# Altium PCB ZJUDancer_Circuit_V3.6.3_MKVer.PcbDoc (part 2 of 3)
Units mil, origin at the board's own origin, x right, y up, seen from the top; angles counter-clockwise.
Board outline 4098.46 x 3783.97 mil, 2 copper layers (Top Layer, Bottom Layer); 148 components, 204 nets, 618 pads, 460 vias.
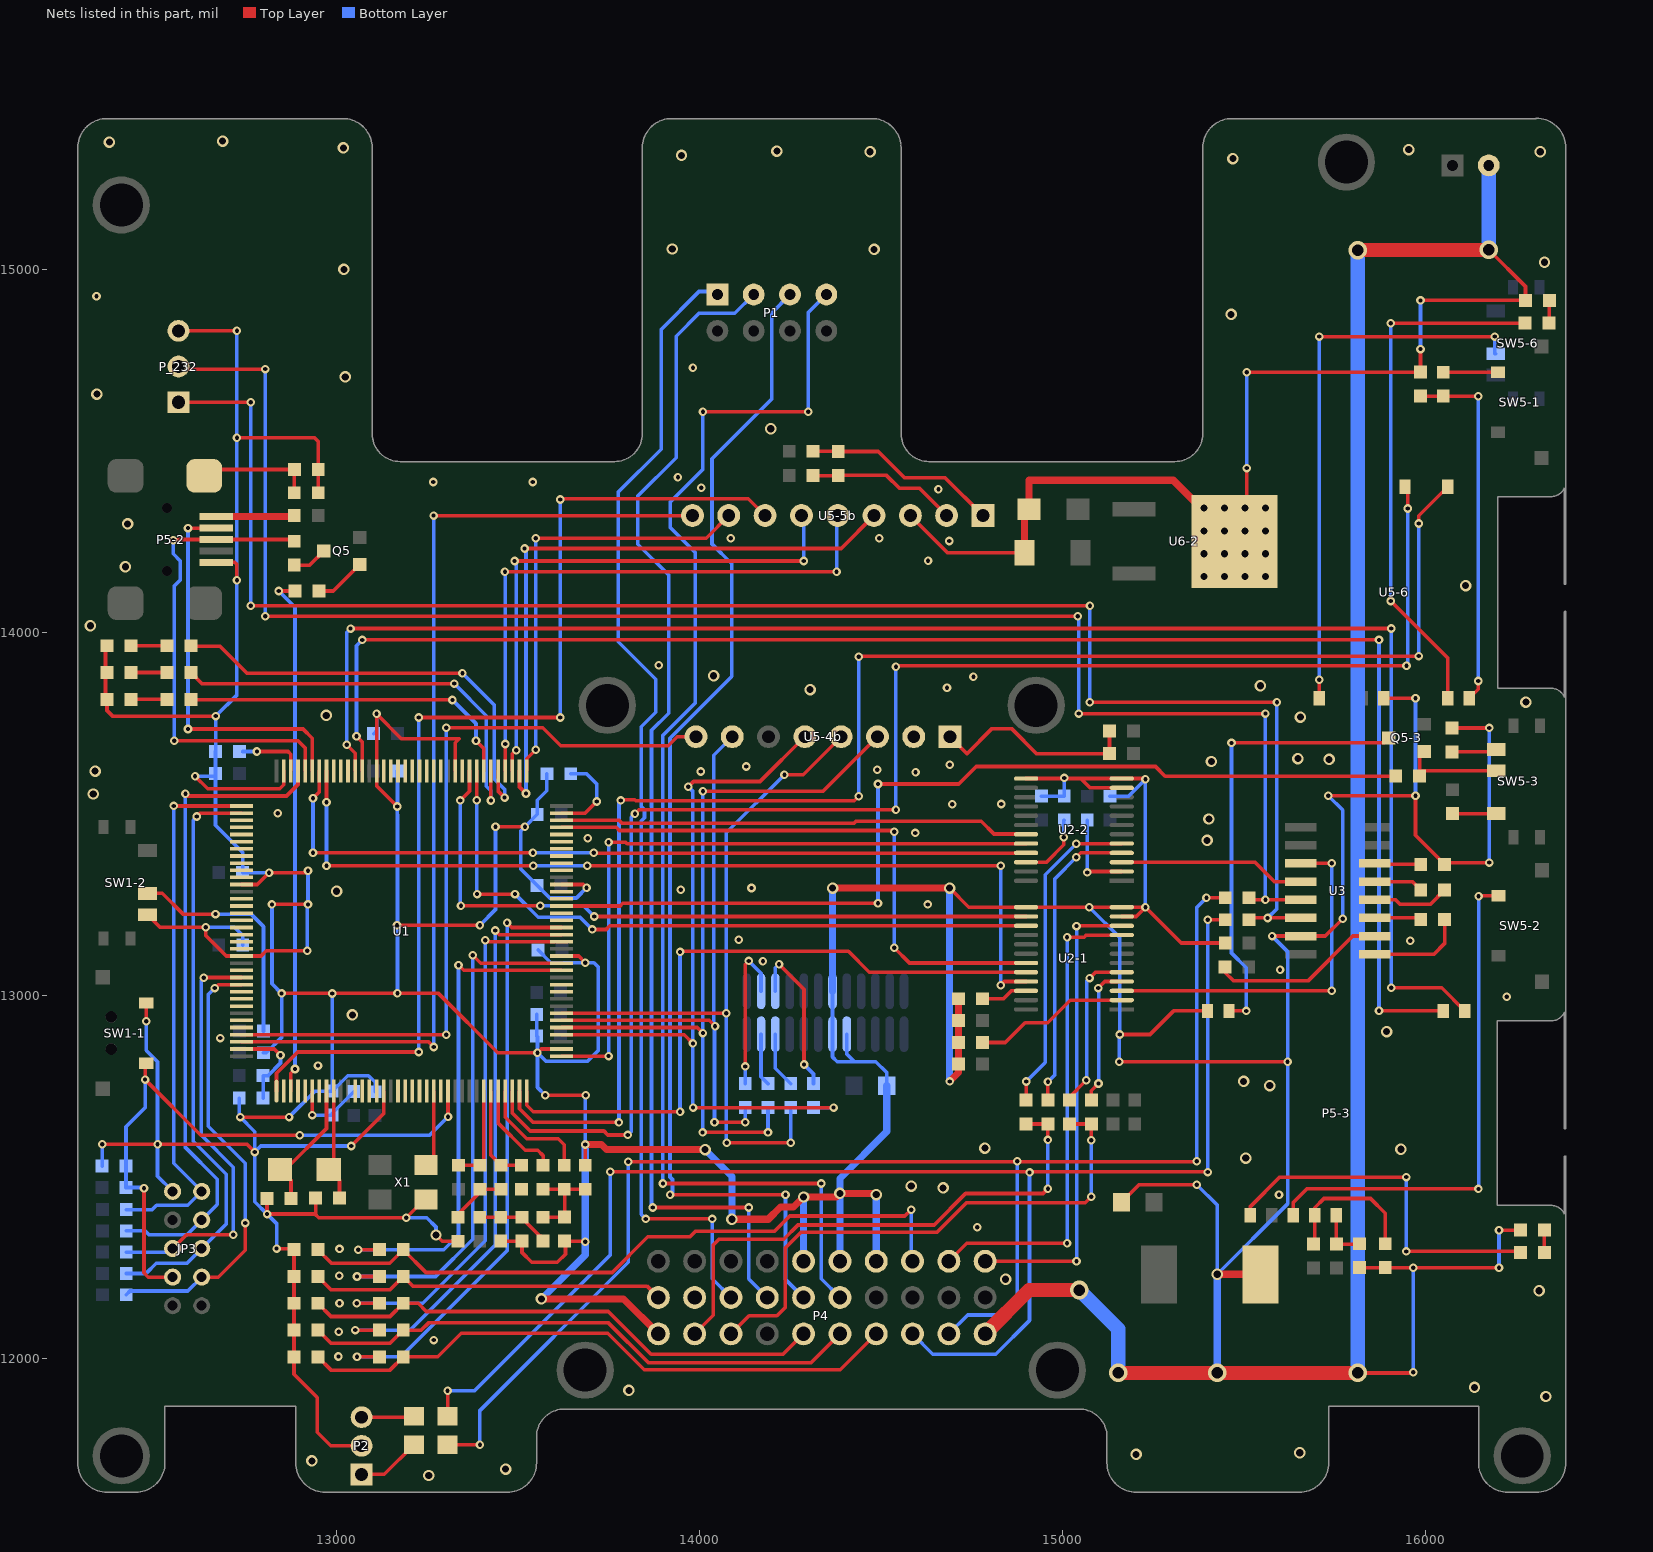
[diagram p2: the nets of this part, all layers, seen from the top]

## Via types
v1: diameter 23.62, hole 11.81, Top Layer to Bottom Layer, 354 vias
v2: diameter 31.5, hole 19.68, Top Layer to Bottom Layer, 82 vias
v3: diameter 39.37, hole 19.68, Top Layer to Bottom Layer, 16 vias
v4: diameter 51.18, hole 31.5, Top Layer to Bottom Layer, 6 vias
v5: diameter 59.06, hole 39.37, Top Layer to Bottom Layer, 2 vias

## Nets (pads, with @x,y where several pads share a name; then routed paths per layer and width w, separated by ;. In a path a pad name is that pad's centre, name@x,y a point inside that pad or via, vN(x,y) a via of type N, cw(c..) or ccw(c..) an arc to the next point about the centre after c; other vN are vias at no path point) (continued)
GND: ?.13 ?.14 ?.15 C1-1.1 C1-2.1 C1-3.1 C1-6.2 C1-7.2 C1-8.2 C1-9.2 C1-10.1 C1-11.1 C1-12.1 C1-13.1 C1-14.1 C1-15.1 C1-16.1 C1-17.1 C1-18.1 C1-19.1 C1-20.1 C1-21.2 C1-22.2 C1-23.1 C2-1.1 C2-2.2 C2-3.1 C2-4.2 C3-4.2 C3-5.2 C5-1.2 C5-2.2 C6-1.2 C6-2.2 C10.1 C12.2 C13.1 D1-1.2 D1-2.2 D1-3.2 D5-3.2 D5-4.2 JP3.10 L2.1 P2.2 P3.2 P4.5 P4.6 P4.7 P4.21 P4.30 P5-2.5 P5-3.13 P_232.3 R1-2.1 R1-19.2 R2-1.2 R2-2.1 R2-4.1 R5-9.2 R5-11.2 R5-12.2 R5-28.2 R112.1 R114.1 R116.1 R118.1 R120.1 SW1-1.2 SW1-2.3 U1.16 U1.38 U1.51 U1.61 U1.83 U1.94 U1.107 U1.120 U1.130 U2-1.11 U2-1.12 U2-1.13 U2-2.11 U2-2.12 U2-2.13 U3.15 U5-4b.2 U5-5b.3 U5-6.12 U6-2.2 X1.2 | length 34059.7
  Top Layer w10: v1(12354.27,12589.51) v1(12506.83,12589.51) 12753.01,12589.51 v1(12774.61,12567.91) ; D1-3.2@12363.59,13814.77 D1-1.2@12363.59,13962.42 ; D1-3.2@12367.53,13814.77 12367.53,13783.87 12382.7,13768.7 v1(12667.32,13768.7) ; v1(12475.9,12928.62) SW1-1.2@12475.9,12978.46 ; SW1-2.3@12479.11,13221.41 12513.51,13187.01 v1(12639.76,13187.01) 12639.76,13164.37 12696.26,13107.87 U1.130@12737.98,13107.87 12791.93,13107.87 12806.1,13122.05 v1(12919.29,13122.05) ; P_232.3@12564.49,14829.84 v1(12725.39,14829.84) ; v1(12610.24,13603.35) 12645.16,13568.42 12843.03,13568.42 12854.12,13579.51 U1.107@12854.12,13617.71 ; P5-2.5@12668.23,14192.05 12719.37,14192.05 12725.39,14186.02 v1(12725.39,14142.72) ; v1(12725.39,14535.43) 12938.98,14535.43 12949.43,14524.98 C5-1.2@12949.43,14447.72 12949.43,14384.04 R5-9.2@12949.24,14383.86 ; v1(12734.25,12664.37) v1(12869.09,12664.37) ; U1.120@12737.98,13304.72 12781.1,13304.72 v1(12813.98,13337.6) 12916.34,13337.6 v1(12921.26,13342.52) ; C1-1.1@12808.42,12440.55 v1(12808.42,12397.28) 12940.59,12397.28 ; v1(12821.85,13250) v1(12921.26,13250) ; v1(12834.65,12302.17) 12879.5,12302.17 R112.1@12882.45,12299.22 R114.1@12882.45,12225.4 R116.1@12882.45,12151.58 R118.1@12882.45,12077.76 R120.1@12882.45,12003.94 12882.45,11956.13 12946.85,11891.73 12946.85,11796.26 12984.13,11758.98 P2.2@13068.82,11758.98 ; v1(12848.43,13004.92) v1@12988.19,13004.92 ; C1-2.1@12942.28,12441.54 12942.28,12398.97 12940.59,12397.28 ; v1(12987.98,13004.71) v1@12988.19,13004.92 ; v1(13040.35,12584.65) 13129.71,12674 U1.16@13129.71,12735.83 ; v1(13166.34,13192.91) v1(13394.68,13192.91) ; v1(13167.32,13519.69) 13110.03,13576.98 U1.94@13110.03,13617.71 v1(13110.03,13774.82) 13178.15,13706.69 13337.6,13706.69 13326.56,13695.65 U1.83@13326.56,13617.71 ; X1.2@13245.85,12437.6 13242.71,12437.6 v1(13191.93,12386.81) 12951.07,12386.81 12940.59,12397.28 ; v2(13273.62,12339.57) 13290.68,12322.51 L2.1@13333.98,12322.51 ; v1(13437.58,13464) v1(13518.7,13464) ; C1-6.2@13452.2,12322.56 C1-7.2@13510.45,12322.56 13510.45,12291.11 13537.4,12264.16 13608.04,12264.16 13630.3,12286.42 13630.3,12320.49 C1-8.2@13627.95,12322.83 13683.07,12322.83 v1(13684.82,12321.08) ; v1(13574.8,12724.41) v1(13686.02,12724.41) ; U1.38@13619.87,12851.97 13563.58,12851.97 v1(13553.15,12841.54) 13443.9,12841.54 13280.51,13004.92 v1@12988.19,13004.92 ; U1.51@13619.87,13107.87 13666.73,13107.87 v1(13685.04,13089.57) ; U1.61@13619.87,13304.72 13679.53,13304.72 v1(13688.48,13295.77) ; C1-9.2@13684.82,12531.53 v1(13684.82,12588.8) ; U5-5b.3@14580.13,14320.99 14682.62,14218.5 C6-2.2@14894.68,14218.5 ; v2(14688.31,13294.96) 14740.91,13242.36 U2-1.13@14898.8,13242.36 v1(15072.83,13242.36) U2-1.12@15162.58,13242.36 v1(15227.6,13242.36) ; U2-2.13@14898.8,13596.69 15002.2,13596.69 v1(15003.92,13598.41) ; v1@15005.91,13596.69 15049.21,13596.69 ; v1(15155.51,12816.93) v1(15619.09,12816.93) ; v1(15156.5,12891.73) 15240.16,12891.73 15305.12,12956.69 P5-3.13@15398.62,12956.69 ; C13.1@15161.42,12430.12 15209.65,12478.35 v1(15369.09,12478.35) ; U2-1.11@15162.58,13216.77 15202.01,13216.77 v1(15227.6,13242.36) ; U2-2.11@15162.58,13571.1 15074.8,13571.1 15049.21,13596.69 ; v1(15227.6,13594.72) 15225.63,13596.69 U2-2.12@15162.58,13596.69 15049.21,13596.69 ; C3-4.2@15447.4,13143.69 15326.26,13143.69 v1(15227.6,13242.36) ; U6-2.2@15472.76,14250 15506.89,14250 v1(15506.89,14451.77) ; v1(15506.89,14715.98) C5-2.2@15985.23,14715.98 v1(15985.24,14779.53) ; v1(15576.3,13162.91) U3.15@15655.04,13162.91 15722.95,13162.91 v1(15770.67,13210.63) ; v1(15731.3,13549.21) v1(15971.46,13549.21) 15971.46,13440.46 C3-5.2@16051.56,13360.35 16056.5,13365.29 v1(16174.35,13365.29) ; v4(15812.01,11959.65) 15963.58,11959.65 v1(15965.55,11961.61) ; R5-12.2@15817.61,12249.57 R5-11.2@15888.09,12249.57 v1(15965.55,12249.57) v1(16201.35,12249.57) ; U5-6.12@15883.39,13818.03 v1(15971.46,13818.03) ; v1(15985.24,14913.54) D5-4.2@16274.22,14913.54 16274.22,14952.08 v4(16173.15,15053.15) ; R5-28.2@16071.85,13736.09 v1(16174.35,13736.09) ; v1(16201.35,12352.79) 16259.84,12352.79 D5-3.2@16260.4,12353.35
  Top Layer w19.68: v2(13563.98,12163.39) 13790.07,12163.39 P4.21@13886.14,12067.31 ; v1(13684.82,12588.8) 13729.11,12588.8 13743.11,12574.8 v2(14014.76,12574.8) ; v2(14088.58,12382.87) 14188.82,12382.87 14222.28,12416.34 14258.31,12416.34 v2(14286.14,12444.17) 14376.26,12444.17 v2(14386.14,12454.06) 14482.8,12454.06 v2(14486.14,12450.71) ; v2@14374.02,13294.96 v2(14688.31,13294.96) ; v1(14688.31,12762.48) 14713.16,12787.34 C2-1.1@14713.16,12810.05 R2-2.1@14713.16,12990.16 ; C6-1.2@14892.72,14338.58 C6-1.2@14906.5,14338.58 ; C6-2.2@14894.68,14218.5 14894.68,14326.77 C6-1.2@14906.5,14338.58 ; v4@15424.21,11959.65 v4(15425.2,11960.63) ; v2(15425.2,12231.3) C12.2@15544.76,12231.3 ; U6-2.2@15472.76,14250 15304.45,14418.31 14906.5,14418.31 C6-1.2@14906.5,14338.58
  Top Layer w39.37: P4.30@14786.14,12067.31 14906.82,12187.99 v4(15045.28,12187.99) ; v4(15152.56,11959.65) 15424.21,11959.65 v4(15812.01,11959.65) ; v4(15812.01,15052.17) 16172.17,15052.17 v4(16173.15,15053.15)
  Bottom Layer w10: C1-3.1@12354.27,12529.59 v1(12354.27,12589.51) ; v1(12475.9,12928.62) 12475.9,12847.91 12506.83,12816.98 v1(12506.83,12589.51) 12506.83,12501.39 JP3.10@12548.46,12459.76 ; v1(12610.24,13603.35) C1-10.1@12666.4,13603.35 ; v1(12639.76,13187.01) 12718.5,13187.01 12741.35,13164.16 C1-19.1@12741.35,13138.39 ; C1-21.2@12666.4,13671.27 C1-10.1@12666.4,13610.24 C1-10.1@12666.4,13603.35 ; C1-21.2@12667.32,13672.25 v1(12667.32,13768.7) 12725.39,13826.77 v1(12725.39,14142.72) v1(12725.39,14535.43) v1(12725.39,14829.84) ; R1-19.2@12731.86,12716.54 12731.86,12666.76 v1(12734.25,12664.37) 12774.61,12624.02 v1(12774.61,12567.91) ; C1-18.1@12798.22,12841.54 12806.5,12841.54 12848.43,12883.46 v1(12848.43,13004.92) 12821.85,13031.5 v1(12821.85,13250) ; v1(12813.98,13337.6) C1-20.1@12741.01,13337.6 12741.01,13393.83 12666.4,13468.44 C1-10.1@12666.4,13603.35 ; v1(12834.65,12302.17) 12834.65,12371.06 v1(12808.42,12397.28) 12774.61,12431.1 v1(12774.61,12567.91) ; v1(12869.09,12664.37) 12940.42,12735.69 C1-23.1@12987.98,12735.69 ; v1(12919.29,13122.05) 12919.29,13248.03 v1(12921.26,13250) v1(12921.26,13342.52) ; v1(12987.98,13004.71) C1-23.1@12987.98,12735.69 ; v1(13040.35,12584.65) 12791.34,12584.65 v1(12774.61,12567.91) ; C1-12.1@13101.94,13720.47 13110.03,13728.55 v1(13110.03,13774.82) ; C1-17.1@13106.08,12734.27 13106.08,12760.06 13087.6,12778.54 13030.83,12778.54 C1-23.1@12987.98,12735.69 ; 13167.32,13497.05 v1(13167.32,13519.69) ; v1(13167.53,13005.13) v1@13167.53,13192.91 ; v1@13167.53,13195.87 13167.53,13497.05 ; v1@13167.53,13519.69 C1-11.1@13167.53,13617.72 ; v1(13191.93,12386.81) 13248.33,12386.81 13273.62,12361.52 v2(13273.62,12339.57) ; v1(13394.68,13192.91) 13437.58,13235.81 v1(13437.58,13464) ; R1-2.1@13551.17,12947.16 13551.17,12887.58 C1-16.1@13550.98,12887.39 13553.15,12885.22 v1(13553.15,12841.54) ; C1-15.1@13555.11,13124.6 13590.14,13089.57 v1(13685.04,13089.57) 13708.66,13089.57 13720.47,13077.76 13720.47,12847.44 13690.94,12817.91 13576.77,12817.91 v1(13553.15,12841.54) ; v1(13574.8,12724.41) 13553.15,12746.06 v1(13553.15,12841.54) ; C1-22.2@13579.08,13609.85 13579.08,13563.33 13552.73,13536.98 C1-13.1@13552.73,13498.03 v1(13518.7,13464) 13506.89,13452.18 13506.89,13347.57 C1-14.1@13552.3,13302.17 13586.75,13267.72 13660.43,13267.72 v1(13688.48,13295.77) ; v1(13684.82,12588.8) 13684.82,12723.21 v1(13686.02,12724.41) ; ?.14@14365.83,13010.94 ?.13@14365.83,12892.83 14365.83,12830.04 14378.94,12816.93 14426.18,12816.93 ; ?.15@14405.2,12892.83 14405.2,12837.91 14426.18,12816.93 ; C10.1@14515.2,12750.98 14515.2,12786.97 14485.24,12816.93 14426.18,12816.93 ; C2-4.2@14941.3,13548.23 R2-4.1@15003.92,13548.16 ; R2-4.1@15003.92,13548.16 v1(15003.92,13598.41) ; v1(15072.83,13242.36) 15156.5,13158.7 v1(15156.5,12891.73) 15155.51,12890.75 v1(15155.51,12816.93) ; C2-3.1@15129.92,13548.1 15180.97,13548.1 v1(15227.6,13594.72) v1(15227.6,13242.36) ; v1(15369.09,12478.35) 15425.2,12422.24 v2(15425.2,12231.3) ; v2@15425.2,12219.49 v2(15425.2,12231.3) ; v1(15506.89,14451.77) v1(15506.89,14715.98) ; v1(15576.3,13162.91) 15619.09,13120.12 v1(15619.09,12816.93) 15619.09,12425.2 v2(15425.2,12231.3) ; v1(15731.3,13549.21) 15770.67,13509.84 v1(15770.67,13210.63) ; v1(15965.55,11961.61) v1(15965.55,12249.57) ; v1(15971.46,13549.21) v1(15971.46,13818.03) ; v1(15985.24,14779.53) v1(15985.24,14913.54) ; v1(16174.35,13365.29) v1(16174.35,13736.09) ; v1(16201.35,12249.57) v1(16201.35,12352.79)
  Bottom Layer w19.68: v2(13563.98,12163.39) 13684.82,12284.23 v1(13684.82,12321.08) v1(13684.82,12588.8) ; v2(14014.76,12574.8) 14088.58,12500.98 v2(14088.58,12382.87) ; P4.5@14286.14,12267.31 v2(14286.14,12444.17) ; ?.14@14365.83,13010.94 v2(14365.83,13294.96) ; P4.6@14386.14,12267.31 v2(14386.14,12454.06) 14386.14,12495.39 14515.2,12624.45 C10.1@14515.2,12750.98 ; P4.7@14486.14,12267.31 v2(14486.14,12450.71) ; v1(14688.31,12762.48) v2(14688.31,13294.96) ; v4(15425.2,11960.63) v2@15425.2,12219.49
  Bottom Layer w39.37: v4(15045.28,12187.99) 15152.56,12080.71 v4(15152.56,11959.65) ; v4(15812.01,11959.65) v4(15812.01,15052.17) ; v4(16173.15,15053.15) P3.2@16173.15,15285.35
  other v1: 13004.92,12004.92 13267.72,12050.2 13005.91,12072.83 13007.87,12151.57 13006.89,12227.36 13007.87,12301.18 14764.76,12361.22 15595.47,12450.79 12948.82,12806.1 12679.13,12881.89 16222.44,12996.06 15598.43,13069.88 14174.21,13093.5 15956.69,13149.61 14107.28,13152.56 14627.95,13250 13947.83,13290.35 14142.72,13295.28 13691.93,13432.09 14593.5,13446.85 12837.6,13500.98 14695.87,13525.59 14830.71,13526.57 14594.49,13614.17 14002.95,13616.14 14489.17,13621.06 14127.95,13629.92 14688.98,13634.84 14681.1,13846.46 14753.94,13876.97 13886.81,13908.46 14628.94,14196.85 14687.01,14250.98 14085.63,14258.86 14494.09,14258.86 14657.48,14393.7 14003.94,14397.64 13265.75,14413.39 13540,14413.39 13939.96,14426.18 13981.3,14728.35 12338.58,14925.2
  other v2: 13253.94,11677.17 13465.55,11694.88 12932.09,11717.52 15201.77,11735.24 15652.56,11740 16330.71,11894.68 13805.12,11911.42 16133.86,11920 16312.01,12186.02 14842.52,12217.52 14670.28,12469.49 14582.68,12474.41 15503.94,12551.18 15931.1,12575.79 14785.43,12578.74 15569.88,12750.98 15498.03,12762.8 15891.73,12899.61 13043.31,12945.87 13000,13286.42 15397.64,13426.18 15402.56,13485.24 12329.72,13554.13 12334.65,13617.13 15409.45,13643.7 15733.27,13649.61 15647.64,13651.57 15654.53,13765.75 12971.46,13770.67 16275.59,13807.09 14304.13,13841.54 15544.29,13852.36 14038.39,13879.92 12321.85,14017.72 16109.25,14127.95 12418.31,14180.12 12424.21,14298.23 14195.87,14560.04 12339.57,14655.51 13023.62,14702.76 15463.58,14875 13020,14999.02 16326.77,15018.7 14480.32,15054.13 13924.21,15055.12 15468.5,15304.13 13949.8,15312.99 14469.49,15322.83 16314.96,15322.83 14212.6,15324.8 15952.76,15328.74 13018.7,15333.66 12374.02,15349.41 12686.02,15352.36
  other v3: 15388.78,14152.87 15445.21,14152.87 15501.64,14152.87 15558.07,14152.87 15388.78,14215.87 15445.21,14215.87 15501.64,14215.87 15558.07,14215.87 15388.78,14278.86 15445.21,14278.86 15501.64,14278.86 15558.07,14278.86 15388.78,14341.85 15445.21,14341.85 15501.64,14341.85 15558.07,14341.85
H_ALM: P4.26 R117.1 R118.2 | length 1554.2
  Top Layer w10: R118.2@12948.26,12077.76 12984.68,12041.34 13147.15,12041.34 R117.1@13183.49,12077.68 13233.19,12077.68 13252.95,12097.44 13749.02,12097.44 13858.27,11988.19 14307.02,11988.19 P4.26@14386.14,12067.31
INCLINE: P4.27 R119.1 R120.2 | length 1677.5
  Top Layer w10: R120.2@12948.26,12003.94 12984.68,11967.52 13147.15,11967.52 R119.1@13183.49,12003.86 13278.47,12003.86 13343.5,12068.9 13747.05,12068.9 13847.44,11968.5 14387.33,11968.5 P4.27@14486.14,12067.31
JNTRST: JP3.3 R1-16.2 U1.134 | length 1227.2
  Top Layer w10: JP3.3@12628.46,12223.54 12674.09,12223.54 12748.03,12297.48 v1(12748.03,12372.72) ; v1(12664.37,13019.68) 12673.82,13029.13 U1.134@12737.98,13029.13
  Bottom Layer w10: R1-16.2@12420.64,12175.02 12430.85,12185.24 12590.16,12185.24 JP3.3@12628.46,12223.54 ; v1(12664.37,13019.68) 12646.65,13001.97 12646.65,12638.78 12748.03,12537.4 v1(12748.03,12372.72)
JTCK: JP3.9 R1-13.2 U1.109 | length 1508.9
  Top Layer w10: v1(12551.18,13521.26) U1.109@12737.98,13521.26
  Bottom Layer w10: R1-13.2@12420.64,12409.52 12492.19,12409.52 12504.13,12421.46 12590.16,12421.46 JP3.9@12628.46,12459.76 12551.18,12537.05 v1(12551.18,13521.26)
JTDI: JP3.5 R1-15.2 U1.110 | length 1622.3
  Top Layer w10: v1(12615.16,13492.13) 12624.6,13501.57 U1.110@12737.98,13501.57
  Bottom Layer w10: R1-15.2@12420.64,12233.64 12474.79,12233.64 12502.99,12261.85 12588.03,12261.85 JP3.5@12628.46,12302.28 12695.87,12369.69 12695.87,12506.89 12605.32,12597.44 12605.32,13482.28 v1(12615.16,13492.13)
JTDO: JP3.6 R1-12.2 U1.133 | length 1166.5
  Top Layer w10: JP3.6@12548.46,12302.28 12586.77,12340.59 v1(12715.59,12340.59) ; v1(12633.86,13048.23) 12634.45,13048.82 U1.133@12737.98,13048.82
  Bottom Layer w10: R1-12.2@12420.64,12292.27 12538.45,12292.27 JP3.6@12548.46,12302.28 ; v1(12633.86,13048.23) 12626.97,13041.34 12626.97,12615.16 12715.59,12526.54 v1(12715.59,12340.59)
JTMS: JP3.7 R1-14.2 U1.105 | length 1820.3
  Top Layer w10: v1@12583.58,13553.15 12587.99,13548.74 12862.09,13548.74 12893.49,13580.13 U1.105@12893.49,13617.71
  Bottom Layer w10: R1-14.2@12420.64,12350.89 12472.92,12350.89 12483.23,12340.59 12588.03,12340.59 JP3.7@12628.46,12381.02 12671.26,12423.82 12671.26,12493.11 12582.68,12581.69 12582.68,13554.8 v1(12583.58,13554.8)
MISO: ?.4 R4-3.1 | length 439.8
  Top Layer w10: v1(14125.33,12803.81) 14125.33,13084.97 v1(14134.84,13094.49)
  Bottom Layer w10: R4-3.1@14125.33,12756.33 v1(14125.33,12803.81) ; v1(14134.84,13094.49) 14168.98,13060.35 ?.4@14168.98,13010.94
MOSI: ?.5 R4-4.1 | length 154
  Bottom Layer w10: ?.5@14208.35,12892.83 14208.35,12798.64 R4-4.1@14250.65,12756.33
NetC1-6_1: C1-6.1 C1-7.1 L1.2 R1-10.1 | length 208.1
  Top Layer w10: L1.2@13394.02,12388.32 13394.07,12388.37 C1-6.1@13452.2,12388.37 C1-7.1@13510.45,12388.37 13510.45,12385.37 13560.53,12335.29 13563.53,12335.29 13568.69,12330.13 R1-10.1@13568.69,12322.57
NetC1-21_1: C1-21.1 U1.106 | length 181.9
  Top Layer w10: v1(12780.51,13671.26) 12866.14,13671.26 12873.81,13663.6 U1.106@12873.81,13617.71
  Bottom Layer w10: C1-21.1@12741.02,13671.26 v1(12780.51,13671.26)
NetC1-22_1: C1-22.1 U1.71 | length 241.4
  Top Layer w10: U1.71@13619.87,13501.57 13684.64,13501.57 v1(13716.54,13533.46)
  Bottom Layer w10: C1-22.1@13644.89,13609.85 13688.38,13609.85 13716.54,13581.69 v1(13716.54,13533.46)
NetC3-1_1: C3-1.1 U3.3 | length 127.8
  Top Layer w10: U3.3@15859.76,13212.91 15981.29,13212.91 C3-1.1@15985.75,13208.45
NetC3-1_2: C3-1.2 U3.1 | length 270.4
  Top Layer w10: U3.1@15859.76,13112.91 16022.36,13112.91 16051.56,13142.11 C3-1.2@16051.56,13208.65
NetC3-2_1: C3-2.1 U3.4 | length 213.5
  Top Layer w10: U3.4@15859.76,13262.91 15916.22,13262.91 15929.13,13250 16011.76,13250 C3-2.1@16051.5,13289.74
NetC3-2_2: C3-2.2 U3.5 | length 135.5
  Top Layer w10: U3.5@15859.76,13312.91 15962.51,13312.91 C3-2.2@15985.68,13289.74
NetC3-3_1: C3-3.1 U3.2 | length 488.8
  Top Layer w10: C3-3.1@15446.43,13077.76 15446.43,13063.41 15470.47,13039.37 15675.2,13039.37 15798.74,13162.91 U3.2@15859.76,13162.91
NetC3-5_1: C3-5.1 U3.6 | length 127
  Top Layer w10: U3.6@15859.76,13362.91 15862.32,13360.35 C3-5.1@15985.75,13360.35
NetC5-1_1: C5-1.1 P5-2.6@12635.35,14430.24 R5-9.1 | length 319.4
  Top Layer w10: P5-2.6@12635.35,14430.24 12652.83,14447.72 C5-1.1@12883.62,14447.72 12883.62,14384.04 R5-9.1@12883.43,14383.86
NetC5-2_1: C5-2.1 R5-17.2 U5-6.16 | length 1000.9
  Top Layer w10: C5-2.1@15985.23,14650.17 15985.44,14649.96 R5-17.2@16047.83,14649.96 v1(16144,14649.96) ; U5-6.16@16119.61,13818.03 16144,13842.43 v1(16144,13865.46)
  Bottom Layer w10: v1(16144,13865.46) v1(16144,14649.96)
NetD1-1_1: D1-1.1 R1-23.1 | length 95.6
  Top Layer w10: D1-1.1@12437.28,13962.42 R1-23.1@12532.88,13962.42
NetD1-2_1: D1-2.1 R1-24.1 | length 95.6
  Top Layer w10: D1-2.1@12437.28,13888.8 R1-24.1@12532.88,13888.8
NetD1-3_1: D1-3.1 R1-25.1 | length 95.9
  Top Layer w10: D1-3.1@12437.28,13814.77 12532.11,13814.77 R1-25.1@12532.88,13814
NetD5-3_1: D5-3.1 R5-15.1 | length 62
  Top Layer w10: R5-15.1@16326.21,12291.34 D5-3.1@16326.21,12353.35
NetD5-4_1: D5-4.1 R5-16.1 | length 62.6
  Top Layer w10: R5-16.1@16339.01,14851.38 16340.03,14852.4 D5-4.1@16340.03,14913.54
NetP5-2_1: P5-2.1 R5-18.1 | length 216.4
  Top Layer w19.68: P5-2.1@12668.25,14318.03 12880.6,14318.03 R5-18.1@12883.43,14320.87
NetP5-3_12: P5-3.12 Q5-3.3 | length 1240.9
  Top Layer w10: P5-3.12@15457.68,12956.69 v1(15504.92,12956.69) ; v1(15464.57,13694.88) 15883.86,13694.88 Q5-3.3@15897.64,13708.66
  Bottom Layer w10: v1(15464.57,13694.88) 15464.57,13116.14 15504.92,13075.79 v1(15504.92,12956.69)
NetP5-3_24: P5-3.24 R5-15.2 | length 1009
  Top Layer w10: P5-3.24@15516.73,12393.7 15516.73,12418.31 15597.44,12499.02 v1(15945.87,12499.02) ; v1(15945.87,12294.29) 15945.87,12295.28 16256.46,12295.28 R5-15.2@16260.4,12291.34
  Bottom Layer w10: v1(15945.87,12294.29) v1(15945.87,12499.02)
NetP5-3_26: P5-3.26 SW5-2.1 | length 1426.7
  Top Layer w10: P5-3.26@15634.84,12393.7 15634.84,12429.13 15672.24,12466.54 v1(16144.68,12466.54) ; v1(16145.2,13272.17) 16146.65,13273.62 SW5-2.1@16199.8,13273.62
  Bottom Layer w10: v1(16144.68,12466.54) v1@16145.2,12467.05 ; v1(16145.2,13272.17) v1@16145.2,12467.05 ; v1@16148.62,12470.47 v1@16145.2,12467.05
NetP5-3_27: P5-3.27 R5-11.1 R5-20.1 | length 406.7
  Top Layer w10: R5-20.1@15690.94,12314.4 15693.9,12317.35 P5-3.27@15693.9,12393.7 15693.9,12414.37 15719.49,12439.96 15847.44,12439.96 15888.09,12399.31 R5-11.1@15888.09,12315.39
NetP5-3_28: P5-3.28 R5-12.1 R5-19.1 | length 143.8
  Top Layer w10: P5-3.28@15752.95,12393.7 15752.95,12315.39 R5-19.1@15753.94,12314.4 15816.63,12314.4 R5-12.1@15817.61,12315.39
NetQ5-3_1: Q5-3.1 R5-26.2 SW5-3.2 | length 292.4
  Top Layer w10: R5-26.2@15982.71,13603.35 R5-26.2@15982.71,13618.11 ; Q5-3.1@15996.06,13671.26 15982.71,13671.26 R5-26.2@15982.71,13618.11 ; SW5-3.2@16193.83,13618.11 R5-26.2@15982.71,13618.11
NetQ5_1: Q5.1 R5-6.1 | length 141.9
  Top Layer w10: R5-6.1@12951.64,14113.19 12990.58,14113.19 Q5.1@13063.42,14186.02
NetQ5_3: Q5.3 R5-7.1 | length 97.8
  Top Layer w10: R5-7.1@12883.3,14184.61 12926.18,14184.61 Q5.3@12964.99,14223.42
NetR1-4_1: R1-4.1 U1.33 | length 322.3
  Top Layer w10: U1.33@13464.36,12735.83 13464.36,12663.6 13523.62,12604.33 13610.24,12604.33 13626.76,12587.81 R1-4.1@13626.76,12531.52
NetR1-5_1: R1-5.1 R1-7.1 U1.31 | length 272.2
  Top Layer w10: U1.31@13424.99,12735.83 13424.99,12559.08 R1-5.1@13452.54,12531.52 R1-7.1@13509.01,12531.52
NetR1-8_1: R1-8.1 R1-9.1 U1.30 | length 267.8
  Top Layer w10: R1-8.1@13335.42,12531.52 R1-9.1@13394.47,12531.52 13405.3,12542.35 U1.30@13405.3,12735.83
NetR1-11_1: R1-11.1 SW1-2.2 | length 644.8
  Top Layer w10: SW1-2.2@12479.11,13280.46 12519.68,13280.46 12576.72,13223.43 v1(12666.34,13223.43)
  Bottom Layer w10: v1(12666.34,13223.43) 12764.2,13223.43 12798.65,13188.98 R1-11.1@12798.65,12901.57
NetR1-18_1: R1-18.1 R1-19.1 U1.143 | length 260.4
  Top Layer w10: U1.143@12737.98,12851.97 12828.15,12851.97 v1(12845.47,12834.65)
  Bottom Layer w10: R1-19.1@12797.67,12716.54 R1-18.1@12797.67,12778.54 12811.02,12778.54 12845.47,12812.99 v1(12845.47,12834.65)
NetR2-1_1: R2-1.1 U2-1.2 | length 432.1
  Top Layer w10: R2-1.1@14778.91,12869.58 14841.54,12869.58 14896.16,12924.21 14958.66,12924.21 15020.9,12986.45 U2-1.2@15162.58,12986.45
NetR2-2_2: R2-2.2 U2-1.22 | length 128.9
  Top Layer w10: R2-2.2@14778.98,12990.16 14836.61,12990.16 14858.5,13012.04 U2-1.22@14898.8,13012.04
NetR2-3_1: R2-3.1 U2-2.2 | length 240.4
  Top Layer w10: v1(15067.28,13338.23) 15069.83,13340.78 U2-2.2@15162.58,13340.78
  Bottom Layer w10: v1(15067.28,13338.23) R2-3.1@15067.28,13482.28
NetR2-4_2: R2-4.2 U2-2.22 | length 156.9
  Top Layer w10: 14934.29,13366.38 14954.96,13366.38 15002.95,13414.37 v1(15002.95,13435.04)
  Bottom Layer w10: v1(15002.95,13435.04) 15002.95,13481.38 R2-4.2@15003.92,13482.35
NetR5-16_2: R5-16.2 U5-6.15 | length 1468
  Top Layer w10: v1(15903.54,14085.63) 16060.55,13928.62 U5-6.15@16060.55,13818.03 ; v1(15903.54,14850.39) 16273.2,14850.39 R5-16.2@16273.2,14851.38
  Bottom Layer w10: v1(15903.54,14085.63) v1(15903.54,14850.39)
NetR5-17_1: R5-17.1 SW5-1.1 | length 150.6
  Top Layer w10: R5-17.1@16047.83,14715.77 16047.94,14715.67 SW5-1.1@16198.35,14715.67